# Altium PCB mini-inverter.PcbDoc (part 1 of 3) (continued)
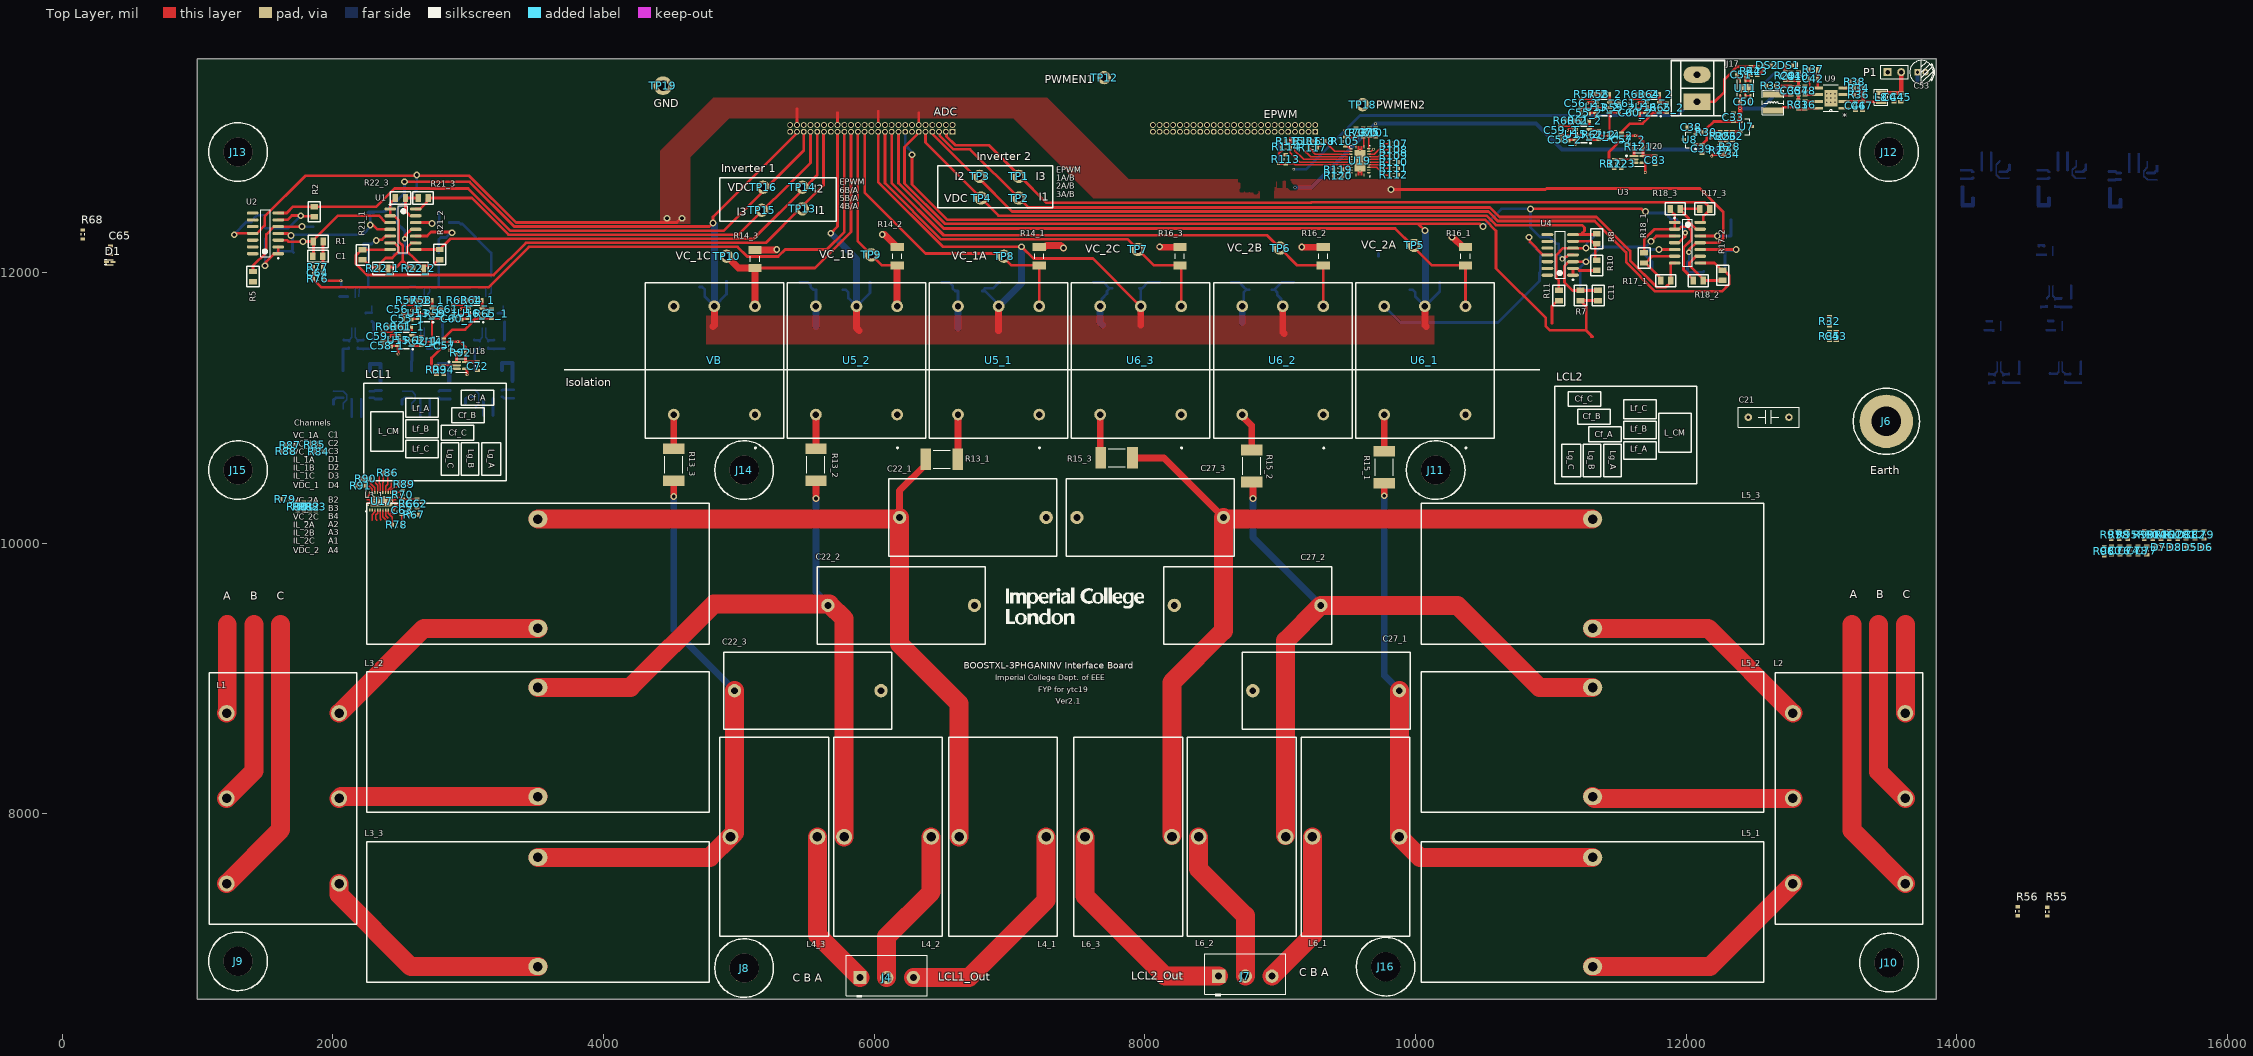
[diagram p0: Top Layer view]
## Components (designator, comment, footprint, x,y, rotation, side; value= is the part's Value field where it differs from the comment) (continued)
C101_1 "100nF" CAPC1608X06N 2385.15,11279.91 r0 bottom (schematic designator C101)
C101_2 "100nF" CAPC1608X06N 15100,12530.33 r180 bottom (schematic designator C101)
C102_1 "3.3uF" CAPC1608X06N 2385.15,11236.57 r180 bottom (schematic designator C102)
C102_2 "3.3uF" CAPC1608X06N 15100,12573.67 r0 bottom (schematic designator C102)
C103_1 "3.3uF" CAPC1608X06N 2385.15,11193.24 r180 bottom (schematic designator C103)
C103_2 "3.3uF" CAPC1608X06N 15100,12617 r0 bottom (schematic designator C103)
C104_1 "2.2uF" CAPC1608X06N 2005.15,11093.24 r270 bottom (schematic designator C104)
C104_2 "2.2uF" CAPC1608X06N 15480,12717 r90 bottom (schematic designator C104)
C105_1 "100nF" CAPC1608X06N 2360.12,11096 r270 bottom (schematic designator C105)
C105_2 "100nF" CAPC1608X06N 15125.04,12714.24 r90 bottom (schematic designator C105)
C106_1 "47pF" CAPC1608X06N 2241.6,10990 r0 bottom (schematic designator C106)
C106_2 "47pF" CAPC1608X06N 15243.56,12820.24 r180 bottom (schematic designator C106)
C107_1 "47pF" CAPC1608X06N 2108.19,10990 r180 bottom (schematic designator C107)
C107_2 "47pF" CAPC1608X06N 15376.97,12820.24 r0 bottom (schematic designator C107)
C108_1 "0.033uF" CAPC1608X06N 2271.1,11546.08 r180 bottom (schematic designator C108)
C108_2 "0.033uF" CAPC1608X06N 14815.33,11855.16 r180 bottom (schematic designator C108)
C109_1 "1500pF" CAPC1608X06N 2153,11494.04 r180 bottom (schematic designator C109)
C109_2 "1500pF" CAPC1608X06N 14697.23,11803.11 r180 bottom (schematic designator C109)
C110_1 "0.1uF" CAPC1608X06N 2031.14,11893.46 r180 bottom (schematic designator C110)
C110_2 "0.1uF" CAPC1608X06N 14575.37,12202.54 r180 bottom (schematic designator C110)
C111_1 "0.1uF" CAPC1608X06N 2050,11791.5 r90 bottom (schematic designator C111)
C111_2 "0.1uF" CAPC1608X06N 14594.23,12100.57 r90 bottom (schematic designator C111)
C112_1 "0.033uF" CAPC1608X06N 2781.1,11546.08 r180 bottom (schematic designator C112)
C112_2 "0.033uF" CAPC1608X06N 14885.33,11295.16 r180 bottom (schematic designator C112)
C113_1 "1500pF" CAPC1608X06N 2665.77,11494.04 r180 bottom (schematic designator C113)
C113_2 "1500pF" CAPC1608X06N 14770,11243.11 r180 bottom (schematic designator C113)
C114_1 "0.1uF" CAPC1608X06N 2541.14,11893.46 r180 bottom (schematic designator C114)
C114_2 "0.1uF" CAPC1608X06N 14645.37,11642.54 r180 bottom (schematic designator C114)
C115_1 "0.1uF" CAPC1608X06N 2560,11791.5 r90 bottom (schematic designator C115)
C115_2 "0.1uF" CAPC1608X06N 14664.23,11540.57 r90 bottom (schematic designator C115)
C116_1 "0.033uF" CAPC1608X06N 3236.42,11546.08 r180 bottom (schematic designator C116)
C116_2 "0.033uF" CAPC1608X06N 14430.65,11295.16 r180 bottom (schematic designator C116)
C117_1 "1500pF" CAPC1608X06N 3118.32,11494.04 r180 bottom (schematic designator C117)
C117_2 "1500pF" CAPC1608X06N 14312.55,11243.11 r180 bottom (schematic designator C117)
C118_1 "0.1uF" CAPC1608X06N 2996.46,11893.46 r180 bottom (schematic designator C118)
C118_2 "0.1uF" CAPC1608X06N 14190.69,11642.54 r180 bottom (schematic designator C118)
C119_1 "0.1uF" CAPC1608X06N 3015.32,11791.5 r90 bottom (schematic designator C119)
C119_2 "0.1uF" CAPC1608X06N 14209.55,11540.57 r90 bottom (schematic designator C119)
D1 "1PS79SB70,115" SOD-523_L1.2-W0.8-LS1.6-RD 351.94,12076.02 r0 top
D2 "1PS79SB70,115" SOD-523_L1.2-W0.8-LS1.6-RD 2800,11780 r270 bottom
D3 "1PS79SB70,115" SOD-523_L1.2-W0.8-LS1.6-RD 2287.01,11780 r270 bottom
D4 "1PS79SB70,115" SOD-523_L1.2-W0.8-LS1.6-RD 3260,11780 r270 bottom
D5 "1PS79SB70,115" SOD-523_L1.2-W0.8-LS1.6-RD 15723.54,9970.63 r0 top
D6 "1PS79SB70,115" SOD-523_L1.2-W0.8-LS1.6-RD 15838.16,9970.63 r0 top
D7 "1PS79SB70,115" SOD-523_L1.2-W0.8-LS1.6-RD 15494.32,9970.63 r0 top
D8 "1PS79SB70,115" SOD-523_L1.2-W0.8-LS1.6-RD 15608.93,9970.63 r0 top
DS1 "TLMP1100-GS08" VISH-TLMX1100_V 12760,13530 r0 top
DS2 "TLMP1100-GS08" VISH-TLMX1100_V 12601.5,13530 r0 top
J2 "ADC" SHF-125-01-L-D-RA 5980,13060 r180 bottom
J3 "EPWM" SHF-125-01-L-D-RA 8660,13060 r180 bottom
J4 "LCL1_Out" "3 Pin Terminal" 6093.15,6790 r0 top
J6 "M5 Earthing Hole" "M5 Earthing Hole" 13480,10900 r0 top
J7 "LCL2_Out" "3 Pin Terminal" 8743.15,6800 r0 top
J8 "M5 Mounting Hole" "M5 Mounting Hole" 5040,6860 r0 top
J9 "M5 Mounting Hole" "M5 Mounting Hole" 1300,6910 r0 top
J10 "M5 Mounting Hole" "M5 Mounting Hole" 13500,6900 r0 top
J11 "M5 Mounting Hole" "M5 Mounting Hole" 10150,10540 r0 top
J12 "M5 Mounting Hole" "M5 Mounting Hole" 13500,12890 r0 top
J13 "M5 Mounting Hole" "M5 Mounting Hole" 1300,12890 r0 top
J14 "M5 Mounting Hole" "M5 Mounting Hole" 5040,10540 r0 top
J15 "M5 Mounting Hole" "M5 Mounting Hole" 1300,10540 r0 top
J16 "M5 Mounting Hole" "M5 Mounting Hole" 9780,6870 r0 top
J17 "CON2" DG1282-5.0 12081.18,13361.79 r90 top
L1 "30mH CM" "CM Choke Custom" 1631.06,8114 r0 top
L2 "30mH CM" "CM Choke Custom" 13204.65,8114 r180 top
L3_1 "4mH" "4mH Custom" 3515.71,9774 r90 top (schematic designator L3)
L3_2 "4mH" "4mH Custom" 3515.71,8530 r90 top (schematic designator L3)
L3_3 "4mH" "4mH Custom" 3515.71,7274 r90 top (schematic designator L3)
L4_1 "380uH" "380uH Custom" 6950,7830 r0 top (schematic designator L4)
L4_2 "380uH" "380uH Custom" 6100,7830 r0 top (schematic designator L4)
L4_3 "380uH" "380uH Custom" 5260,7830 r0 top (schematic designator L4)
L5_1 "4mH" "4mH Custom" 11310,7274 r90 top (schematic designator L5)
L5_2 "4mH" "4mH Custom" 11310,8530 r90 top (schematic designator L5)
L5_3 "4mH" "4mH Custom" 11310,9774 r90 top (schematic designator L5)
L6_1 "380uH" "380uH Custom" 9560,7830 r180 top (schematic designator L6)
L6_2 "380uH" "380uH Custom" 8720,7830 r180 top (schematic designator L6)
L6_3 "380uH" "380uH Custom" 7880,7830 r180 top (schematic designator L6)
L7 "100uH" NR4018 12642.82,13255.09 r90 top
L8 "33uH" NR2520 13441.76,13295.15 r270 top
P1 "Header 2" HDR1X2 13490,13480 r0 top
R1 "20k_0805" "0805 Resistor" 1892.6,12228.86 r0 top
R2 "200k_0805" "0805 Resistor" 1862.6,12448.86 r270 top
R3 "20k_0805" "0805 Resistor" 1892.6,12228.86 r180 bottom
R4 "10k_0805" "0805 Resistor" 1502.6,12288.86 r90 bottom
R5 "10k_0805" "0805 Resistor" 1410,11970 r90 top
R6 "200k_0805" "0805 Resistor" 1892.6,12338.86 r0 bottom
R7 "20k_0805" "0805 Resistor" 11220,11830 r270 top
R8 "200k_0805" "0805 Resistor" 11340,12250 r270 top
R9 "20k_0805" "0805 Resistor" 11347.16,11840 r90 bottom
R10 "10k_0805" "0805 Resistor" 11340,12052.6 r90 top
R11 "10k_0805" "0805 Resistor" 11060,11830 r90 top
R12 "200k_0805" "0805 Resistor" 11360,12280 r0 bottom
R13_1 "10k_2512" "2512 Resistor" 6500,10620 r0 top (schematic designator R13)
R13_2 "10k_2512" "2512 Resistor" 5570,10580 r90 top (schematic designator R13)
R13_3 "10k_2512" "2512 Resistor" 4520,10580 r90 top (schematic designator R13)
R14_1 "130_1206" "1206 Resistor" 7220,12120 r270 top (schematic designator R14)
R14_2 "130_1206" "1206 Resistor" 6170,12120 r270 top (schematic designator R14)
R14_3 "130_1206" "1206 Resistor" 5120,12100 r270 top (schematic designator R14)
R15_1 "10k_2512" "2512 Resistor" 9770,10560 r90 top (schematic designator R15)
R15_2 "10k_2512" "2512 Resistor" 8790,10570 r90 top (schematic designator R15)
R15_3 "10k_2512" "2512 Resistor" 7791.89,10630 r180 top (schematic designator R15)
R16_1 "130_1206" "1206 Resistor" 10370,12120 r270 top (schematic designator R16)
R16_2 "130_1206" "1206 Resistor" 9320,12120 r270 top (schematic designator R16)
R16_3 "130_1206" "1206 Resistor" 8260,12120 r270 top (schematic designator R16)
R17_1 "200k_0805" "0805 Resistor" 11850,11940 r0 top (schematic designator R17)
R17_2 "200k_0805" "0805 Resistor" 12270,11980 r90 top (schematic designator R17)
R17_3 "200k_0805" "0805 Resistor" 12137.4,12470 r0 top (schematic designator R17)
R18_1 "10k_0805" "0805 Resistor" 11690,12107.4 r270 top (schematic designator R18)
R18_2 "10k_0805" "0805 Resistor" 12090,11940 r0 top (schematic designator R18)
R18_3 "10k_0805" "0805 Resistor" 11920,12470 r0 top (schematic designator R18)
R19_1 "10k_0805" "0805 Resistor" 11750,11980 r90 bottom (schematic designator R19)
R19_2 "10k_0805" "0805 Resistor" 12270,11980 r90 bottom (schematic designator R19)
R19_3 "10k_0805" "0805 Resistor" 12370,12270 r180 bottom (schematic designator R19)
R20_1 "200k_0805" "0805 Resistor" 11660,12140 r0 bottom (schematic designator R20)
R20_2 "200k_0805" "0805 Resistor" 12250,12160 r0 bottom (schematic designator R20)
R20_3 "200k_0805" "0805 Resistor" 12370,12390 r180 bottom (schematic designator R20)
R21_1 "200k_0805" "0805 Resistor" 2220,12130 r90 top (schematic designator R21)
R21_2 "200k_0805" "0805 Resistor" 2790,12132.6 r90 top (schematic designator R21)
R21_3 "200k_0805" "0805 Resistor" 2667.4,12550 r0 top (schematic designator R21)
R22_1 "10k_0805" "0805 Resistor" 2370,12030 r180 top (schematic designator R22)
R22_2 "10k_0805" "0805 Resistor" 2630,12030 r0 top (schematic designator R22)
R22_3 "10k_0805" "0805 Resistor" 2500,12550 r0 top (schematic designator R22)
R23_1 "10k_0805" "0805 Resistor" 2262.6,12058.86 r90 bottom (schematic designator R23)
R23_2 "10k_0805" "0805 Resistor" 2782.6,12108.86 r90 bottom (schematic designator R23)
R23_3 "10k_0805" "0805 Resistor" 2822.6,12368.86 r180 bottom (schematic designator R23)
R24_1 "200k_0805" "0805 Resistor" 2190,12210 r0 bottom (schematic designator R24)
R24_2 "200k_0805" "0805 Resistor" 2750,12250 r0 bottom (schematic designator R24)
R24_3 "200k_0805" "0805 Resistor" 2790,12510 r270 bottom (schematic designator R24)
R25 "0" RESC1608X05N 12251.95,13006.39 r90 top value=1M¦¸(1%)
R26 "0" RESC1608X05N 12295.55,13007.01 r270 top value=1M¦¸(1%)
R27 "54.9k" RESC1608X05N 12250.7,12904.25 r90 top value=1M¦¸(1%)
R28 "274k" RESC1608X05N 12321.09,12927.29 r180 top value=1M¦¸(1%)
R29 "16.5k" RESC1608X05N 12731.2,13452.15 r270 top value=1M¦¸(1%)
R30 "0" RESC1608X05N 12150.72,13037.79 r0 top value=1M¦¸(1%)
R31 "68k" RESC1608X05N 12830.15,13240.75 r270 top value=1M¦¸(1%)
R32 "100k" RESC1608X05N 13060,11640 r90 top value=1M¦¸(1%)
R33 "10.0k" RESC1608X05N 12628.6,13379.54 r0 top value=1M¦¸(1%)
R34 "113k" RESC1608X05N 13276.11,13361.79 r180 top value=1M¦¸(1%)
R35 "4.22k" RESC1608X05N 13060,11530 r90 top value=1M¦¸(1%)
R36 "51.0k" RESC1608X05N 13276.41,13315.08 r180 top value=1M¦¸(1%)
R37 "3.24k" RESC1608X05N 12940,13500 r0 top value=1M¦¸(1%)
R38 "16.5k" RESC1608X05N 13245.08,13411.14 r0 top value=1M¦¸(1%)
R42 "0" RESC1608X05N 12477.05,13488.2 r90 top value=1M¦¸(1%)
R43 "10.0k" RESC1608X05N 12527.45,13488.58 r90 top value=1M¦¸(1%)
R55 "0" RESC1608X05N 14670,7277 r90 top value=1M¦¸(1%)
R56 "0" RESC1608X05N 14450,7280 r90 top value=1M¦¸(1%)
R57_1 "20" RESC1608X05N 2592.51,11796.24 r180 top value=1M¦¸(1%) (schematic designator R57)
R57_2 "20" RESC1608X05N 11294,13318.46 r180 top value=1M¦¸(1%) (schematic designator R57)
R58_1 "10.0k" RESC1608X05N 2699.4,11796.24 r180 top value=1M¦¸(1%) (schematic designator R58)
R58_2 "10.0k" RESC1608X05N 11400.89,13318.46 r180 top value=1M¦¸(1%) (schematic designator R58)
R59_1 "332k" RESC1608X05N 2802.67,11695 r90 top value=1M¦¸(1%) (schematic designator R59)
R59_2 "332k" RESC1608X05N 11504.16,13217.22 r90 top value=1M¦¸(1%) (schematic designator R59)
R60_1 "20" RESC1608X05N 2442.51,11597.49 r180 top value=1M¦¸(1%) (schematic designator R60)
R60_2 "20" RESC1608X05N 11144,13119.71 r180 top value=1M¦¸(1%) (schematic designator R60)
R61_1 "10.0k" RESC1608X05N 2549.4,11597.49 r180 top value=1M¦¸(1%) (schematic designator R61)
R61_2 "10.0k" RESC1608X05N 11250.89,13119.71 r180 top value=1M¦¸(1%) (schematic designator R61)
R62_1 "332k" RESC1608X05N 2652.67,11495.01 r90 top value=1M¦¸(1%) (schematic designator R62)
R62_2 "332k" RESC1608X05N 11354.16,13017.22 r90 top value=1M¦¸(1%) (schematic designator R62)
R63_1 "20" RESC1608X05N 2962.51,11796.24 r180 top value=1M¦¸(1%) (schematic designator R63)
R63_2 "20" RESC1608X05N 11664,13318.46 r180 top value=1M¦¸(1%) (schematic designator R63)
R64_1 "10.0k" RESC1608X05N 3069.4,11796.24 r180 top value=1M¦¸(1%) (schematic designator R64)
R64_2 "10.0k" RESC1608X05N 11770.89,13318.46 r180 top value=1M¦¸(1%) (schematic designator R64)
R65_1 "332k" RESC1608X05N 3172.67,11695 r90 top value=1M¦¸(1%) (schematic designator R65)
R65_2 "332k" RESC1608X05N 11856.67,13217.32 r90 top value=1M¦¸(1%) (schematic designator R65)
R66 "0" RESC1608X05N 2568.86,10290.59 r90 top value=K
R67 "0" RESC1608X05N 2601.04,10208.77 r0 top value=K
R68 "20" RESC1608X05N 153.66,12281.19 r90 top value=1M¦¸(1%)
R69 "20" RESC1608X05N 2287.01,11670.4 r90 bottom value=1M¦¸(1%)
R70 "10.0k" RESC1608X05N 2515.96,10356.86 r90 top value=1M¦¸(1%)
R71 "20" RESC1608X05N 2803.49,11668.06 r90 bottom value=1M¦¸(1%)
R72 "20" RESC1608X05N 3270,11668.06 r90 bottom value=1M¦¸(1%)
R73 "20" RESC1608X05N 2230,11890 r0 bottom value=1M¦¸(1%)
R74 "20" RESC1608X05N 2750,11890 r0 bottom value=1M¦¸(1%)
R75 "20" RESC1608X05N 3170,11940 r90 bottom value=1M¦¸(1%)
R76 "20" RESC1608X05N 1889.86,11954.49 r180 top value=1M¦¸(1%)
R77 "20" RESC1608X05N 1890,12040 r0 top value=1M¦¸(1%)
R78 "10.0k" RESC1608X05N 2473.61,10134.8 r0 top value=1M¦¸(1%)
R79 "10.0k" RESC1608X05N 1649.94,10324.8 r180 top value=1M¦¸(1%)
R80 "10.0k" RESC1608X05N 1742.8,10270 r270 top value=1M¦¸(1%)
R81 "10.0k" RESC1608X05N 1786.13,10270 r270 top value=1M¦¸(1%)
R82 "10.0k" RESC1608X05N 1829.46,10270 r270 top value=1M¦¸(1%)
R83 "10.0k" RESC1608X05N 1872.8,10270 r270 top value=1M¦¸(1%)
R84 "10.0k" RESC1608X05N 1895.97,10676.47 r180 top value=1M¦¸(1%)
R85 "10.0k" RESC1608X05N 1866.3,10726.6 r180 top value=1M¦¸(1%)
R86 "10.0k" RESC1608X05N 2406.92,10519.77 r180 top value=1M¦¸(1%)
R87 "10.0k" RESC1608X05N 1684.18,10725.09 r180 top value=1M¦¸(1%)
R88 "10.0k" RESC1608X05N 1655.95,10677.69 r0 top value=1M¦¸(1%)
R89 "10.0k" RESC1608X05N 2527.61,10435.87 r180 top value=1M¦¸(1%)
R90 "10.0k" RESC1608X05N 2244.26,10475.08 r180 top value=1M¦¸(1%)
R91 "10.0k" RESC1608X05N 2206.97,10425.73 r180 top value=1M¦¸(1%)
R92 "10.0k" RESC1608X05N 2947,11406.78 r180 top value=1M¦¸(1%)
R93 "0" RESC1608X05N 2766.43,11279.91 r90 top value=1M¦¸(1%)
R94 "10.0k" RESC1608X05N 2820.48,11279.91 r90 top value=1M¦¸(1%)
R95 "20" RESC1608X05N 15263.66,10061.19 r90 top value=1M¦¸(1%)
R96 "20" RESC1608X05N 15090,9940 r270 top value=1M¦¸(1%)
R97 "20" RESC1608X05N 15140.73,10061.19 r90 top value=1M¦¸(1%)
R98 "20" RESC1608X05N 15202.2,10061.19 r90 top value=1M¦¸(1%)
R99 "20" RESC1608X05N 15386.59,10061.19 r90 top value=1M¦¸(1%)
R100 "0" RESC1608X05N 9615.24,13034.28 r90 top value=K
R101 "0" RESC1608X05N 9706.15,13034.28 r90 top value=K
R102 "20" RESC1608X05N 15570.98,10061.19 r90 top value=1M¦¸(1%)
R103 "20" RESC1608X05N 15632.45,10061.19 r90 top value=1M¦¸(1%)
R104 "20" RESC1608X05N 15448.06,10061.19 r90 top value=1M¦¸(1%)
R105 "10.0k" RESC1608X05N 9481.25,12968.24 r270 top value=1M¦¸(1%)
R106 "20" RESC1608X05N 15509.52,10061.19 r90 top value=1M¦¸(1%)
R107 "10.0k" RESC1608X05N 9841.68,12953.11 r0 top value=1M¦¸(1%)
R108 "10.0k" RESC1608X05N 9841.68,12907.11 r0 top value=1M¦¸(1%)
R109 "10.0k" RESC1608X05N 9841.68,12861.11 r0 top value=1M¦¸(1%)
R110 "10.0k" RESC1608X05N 9841.68,12815.11 r0 top value=1M¦¸(1%)
R111 "10.0k" RESC1608X05N 9841.68,12769.11 r0 top value=1M¦¸(1%)
R112 "10.0k" RESC1608X05N 9841.68,12723.11 r0 top value=1M¦¸(1%)
R113 "10.0k" RESC1608X05N 9042.71,12837.18 r270 top value=1M¦¸(1%)
R114 "10.0k" RESC1608X05N 9043.93,12927.35 r0 top value=1M¦¸(1%)
R115 "10.0k" RESC1608X05N 9076.15,12969.4 r0 top value=1M¦¸(1%)
R116 "10.0k" RESC1608X05N 9202.78,12970.05 r0 top value=1M¦¸(1%)
R117 "10.0k" RESC1608X05N 9243.06,12923.47 r180 top value=1M¦¸(1%)
R118 "10.0k" RESC1608X05N 9300,12970 r0 top value=1M¦¸(1%)
R119 "10.0k" RESC1608X05N 9430,12760 r180 top value=1M¦¸(1%)
R120 "10.0k" RESC1608X05N 9430,12713.5 r180 top value=1M¦¸(1%)
R121 "10.0k" RESC1608X05N 11648.89,12929 r180 top value=1M¦¸(1%)
R122 "0" RESC1608X05N 11467.92,12802.12 r90 top value=1M¦¸(1%)
R123 "10.0k" RESC1608X05N 11521.97,12802.12 r90 top value=1M¦¸(1%)
R124_1 "0" RESC1608X05N 2512.06,10993.24 r270 bottom value=1M¦¸(1%) (schematic designator R124)
R124_2 "0" RESC1608X05N 14953.09,12827 r90 bottom value=1M¦¸(1%) (schematic designator R124)
R125_1 "20" RESC1608X05N 2716.39,10903.39 r270 bottom value=1M¦¸(1%) (schematic designator R125)
R125_2 "20" RESC1608X05N 14748.77,12916.85 r90 bottom value=1M¦¸(1%) (schematic designator R125)
R126_1 "20" RESC1608X05N 2646.17,10903.39 r270 bottom value=1M¦¸(1%) (schematic designator R126)
R126_2 "20" RESC1608X05N 14818.99,12916.85 r90 bottom value=1M¦¸(1%) (schematic designator R126)
R127_1 "0" RESC1608X05N 2980,10999.92 r270 bottom value=1M¦¸(1%) (schematic designator R127)
R127_2 "0" RESC1608X05N 14390,12827 r90 bottom value=1M¦¸(1%) (schematic designator R127)
R128_1 "20" RESC1608X05N 3184.32,10910.07 r270 bottom value=1M¦¸(1%) (schematic designator R128)
R128_2 "20" RESC1608X05N 14185.68,12916.85 r90 bottom value=1M¦¸(1%) (schematic designator R128)
R129_1 "20" RESC1608X05N 3114.11,10910.07 r270 bottom value=1M¦¸(1%) (schematic designator R129)
R129_2 "20" RESC1608X05N 14255.89,12916.85 r90 bottom value=1M¦¸(1%) (schematic designator R129)
R130_1 "0" RESC1608X05N 2005.15,10993.24 r270 bottom value=1M¦¸(1%) (schematic designator R130)
R130_2 "0" RESC1608X05N 15480,12817 r90 bottom value=1M¦¸(1%) (schematic designator R130)
R131_1 "20" RESC1608X05N 2209.48,10903.39 r270 bottom value=1M¦¸(1%) (schematic designator R131)
R131_2 "20" RESC1608X05N 15275.68,12906.85 r90 bottom value=1M¦¸(1%) (schematic designator R131)
R132_1 "20" RESC1608X05N 2139.26,10903.39 r270 bottom value=1M¦¸(1%) (schematic designator R132)
R132_2 "20" RESC1608X05N 15345.89,12906.85 r90 bottom value=1M¦¸(1%) (schematic designator R132)
R133_1 "0.005" RESC1608X05N 2151.5,11441.5 r180 bottom value=1M¦¸(1%) (schematic designator R133)
R133_2 "0.005" RESC1608X05N 14695.73,11750.57 r180 bottom value=1M¦¸(1%) (schematic designator R133)
R134_1 "100k" RESC1608X05N 2301.11,11468.7 r270 bottom value=1M¦¸(1%) (schematic designator R134)
R134_2 "100k" RESC1608X05N 14845.34,11777.77 r270 bottom value=1M¦¸(1%) (schematic designator R134)
R135_1 "0" RESC1608X05N 2080.45,11467.93 r90 bottom value=1M¦¸(1%) (schematic designator R135)
R135_2 "0" RESC1608X05N 14624.68,11777 r90 bottom value=1M¦¸(1%) (schematic designator R135)
R136_1 "0" RESC1608X05N 2225.64,11468.24 r90 bottom value=1M¦¸(1%) (schematic designator R136)
R136_2 "0" RESC1608X05N 14769.87,11777.31 r90 bottom value=1M¦¸(1%) (schematic designator R136)
R137_1 "4.22k" RESC1608X05N 2270,11591.5 r0 bottom value=1M¦¸(1%) (schematic designator R137)
R137_2 "4.22k" RESC1608X05N 14814.23,11900.57 r0 bottom value=1M¦¸(1%) (schematic designator R137)
R138_1 "0" RESC1608X05N 2133,11891.5 r0 bottom value=1M¦¸(1%) (schematic designator R138)
R138_2 "0" RESC1608X05N 14677.23,12200.57 r0 bottom value=1M¦¸(1%) (schematic designator R138)
R139_1 "0.005" RESC1608X05N 2665.77,11441.5 r180 bottom value=1M¦¸(1%) (schematic designator R139)
R139_2 "0.005" RESC1608X05N 14770,11190.57 r180 bottom value=1M¦¸(1%) (schematic designator R139)
R140_1 "100k" RESC1608X05N 2811.11,11468.7 r270 bottom value=1M¦¸(1%) (schematic designator R140)
R140_2 "100k" RESC1608X05N 14915.34,11217.77 r270 bottom value=1M¦¸(1%) (schematic designator R140)
R141_1 "0" RESC1608X05N 2585.77,11470.93 r90 bottom value=1M¦¸(1%) (schematic designator R141)
R141_2 "0" RESC1608X05N 14690,11220 r90 bottom value=1M¦¸(1%) (schematic designator R141)
R142_1 "0" RESC1608X05N 2735.64,11468.24 r90 bottom value=1M¦¸(1%) (schematic designator R142)
R142_2 "0" RESC1608X05N 14839.87,11217.31 r90 bottom value=1M¦¸(1%) (schematic designator R142)
R143_1 "4.22k" RESC1608X05N 2780,11591.5 r0 bottom value=1M¦¸(1%) (schematic designator R143)
R143_2 "4.22k" RESC1608X05N 14884.23,11340.57 r0 bottom value=1M¦¸(1%) (schematic designator R143)
R144_1 "0" RESC1608X05N 2643,11891.5 r0 bottom value=1M¦¸(1%) (schematic designator R144)
R144_2 "0" RESC1608X05N 14747.23,11640.57 r0 bottom value=1M¦¸(1%) (schematic designator R144)
R145_1 "0.005" RESC1608X05N 3116.82,11441.5 r180 bottom value=1M¦¸(1%) (schematic designator R145)
R145_2 "0.005" RESC1608X05N 14311.05,11190.57 r180 bottom value=1M¦¸(1%) (schematic designator R145)
R146_1 "100k" RESC1608X05N 3266.43,11468.7 r270 bottom value=1M¦¸(1%) (schematic designator R146)
R146_2 "100k" RESC1608X05N 14460.66,11217.77 r270 bottom value=1M¦¸(1%) (schematic designator R146)
R147_1 "0" RESC1608X05N 3045.77,11467.93 r90 bottom value=1M¦¸(1%) (schematic designator R147)
R147_2 "0" RESC1608X05N 14240,11217 r90 bottom value=1M¦¸(1%) (schematic designator R147)
R148_1 "0" RESC1608X05N 3190.96,11468.24 r90 bottom value=1M¦¸(1%) (schematic designator R148)
R148_2 "0" RESC1608X05N 14385.19,11217.31 r90 bottom value=1M¦¸(1%) (schematic designator R148)
R149_1 "4.22k" RESC1608X05N 3235.32,11591.5 r0 bottom value=1M¦¸(1%) (schematic designator R149)
R149_2 "4.22k" RESC1608X05N 14429.55,11340.57 r0 bottom value=1M¦¸(1%) (schematic designator R149)
R150_1 "0" RESC1608X05N 3098.32,11891.5 r0 bottom value=1M¦¸(1%) (schematic designator R150)
R150_2 "0" RESC1608X05N 14292.55,11640.57 r0 bottom value=1M¦¸(1%) (schematic designator R150)
TP1 "I3" "PCB 1.32mm TestPoint" 7070,12710 r0 top
TP2 "I1" "PCB 1.32mm TestPoint" 7070,12550 r0 top
TP3 "I2" "PCB 1.32mm TestPoint" 6780,12710 r0 top
TP4 "VDC" "PCB 1.32mm TestPoint" 6790,12550 r0 top
TP5 "VC_2A" "PCB 1.32mm TestPoint" 9990,12200 r0 top
TP6 "VC_2B" "PCB 1.32mm TestPoint" 9000,12180 r0 top
TP7 "VC_2C" "PCB 1.32mm TestPoint" 7950,12170 r0 top
TP8 "VC_1A" "PCB 1.32mm TestPoint" 6960,12120 r0 top
TP9 "VC_1B" "PCB 1.32mm TestPoint" 5980,12130 r90 top
TP10 "VC_1C" "PCB 1.32mm TestPoint" 4910,12120 r90 top
TP12 "PWMEN1" "PCB 1.32mm TestPoint" 7700,13440 r90 top
TP13 "I1" "PCB 1.32mm TestPoint" 5470,12470 r90 top
TP14 "I2" "PCB 1.32mm TestPoint" 5470,12630 r90 top
TP15 "I3" "PCB 1.32mm TestPoint" 5170,12460 r90 top
TP16 "VDC" "PCB 1.32mm TestPoint" 5180,12630 r90 top
TP18 "PWMEN2" "PCB 1.32mm TestPoint" 9610,13240 r90 top
TP19 "GND" "1.9mm Hole" 4440,13380 r90 top
U1 "4ch Op Amp" SOIC-14 2518.11,12318.86 r0 top
U2 "4ch Op Amp" SOIC-14 1502.6,12288.86 r180 top
U3 "4ch Op Amp" SOIC-14 12010,12220 r0 top
U4 "4ch Op Amp" SOIC-14 11070,12130 r180 top
U5_1 "LV25P" LV-25-P 6920,11350 r90 top (schematic designator U5)
U5_2 "LV25P" LV-25-P 5870,11350 r90 top (schematic designator U5)
U6_1 "LV25P" LV-25-P 10070,11350 r90 top (schematic designator U6)
U6_2 "LV25P" LV-25-P 9020,11350 r90 top (schematic designator U6)
U6_3 "LV25P" LV-25-P 7970,11350 r90 top (schematic designator U6)
U7 "REF3333AIDBZR" DBZ0003A_L 12443.82,13077.76 r0 top
U8 "REF3333AIDBZR" DBZ0003A_L 12026.66,12982.24 r180 top
U9 "LM5017MRX/NOPB" DDA8_3P1X2P41 13070,13289 r180 top
U11 "LP38691SD-3.3/NOPB" FP-NGG0006A-MFG 12437.98,13361.79 r90 top
U13_1 "TLV3201AIDBVR" SOT-23-5_L3.0-W1.7-P0.95-LS2.8-BR 2681.32,11697.49 r0 top (schematic designator U13)
U13_2 "TLV3201AIDBVR" SOT-23-5_L3.0-W1.7-P0.95-LS2.8-BR 11382.81,13219.71 r0 top (schematic designator U13)
U14_1 "SN74LVC1G332DCKR" FP-DCK0006A-MFG 2777.12,11487.72 r0 top (schematic designator U14)
U14_2 "SN74LVC1G332DCKR" FP-DCK0006A-MFG 11478.61,13009.93 r0 top (schematic designator U14)
U15_1 "TLV3201AIDBVR" SOT-23-5_L3.0-W1.7-P0.95-LS2.8-BR 2531.32,11497.49 r0 top (schematic designator U15)
U15_2 "TLV3201AIDBVR" SOT-23-5_L3.0-W1.7-P0.95-LS2.8-BR 11232.81,13019.71 r0 top (schematic designator U15)
U16_1 "TLV3201AIDBVR" SOT-23-5_L3.0-W1.7-P0.95-LS2.8-BR 3051.32,11697.49 r0 top (schematic designator U16)
U16_2 "TLV3201AIDBVR" SOT-23-5_L3.0-W1.7-P0.95-LS2.8-BR 11752.81,13219.71 r0 top (schematic designator U16)
U17 "SN74AVC8T245RHLR" RHL0024A 2360,10309.49 r270 top
U18 "SN74LVC1G32DCKR" FP-DCK0005A-IPC_A 2950.01,11313.57 r0 top
U19 "SN74AVC8T245RHLR" RHL0024A 9590,12825.2 r0 top
U20 "SN74LVC1G32DCKR" FP-DCK0005A-IPC_A 11651.5,12835.79 r0 top
U21_1 "LMG5200MOFT" FP-MOF0009A-MFG 2682.06,11203.24 r180 bottom (schematic designator U21)
U21_2 "LMG5200MOFT" FP-MOF0009A-MFG 14783.09,12617 r0 bottom (schematic designator U21)
U22_1 "LMG5200MOFT" FP-MOF0009A-MFG 3150,11209.92 r180 bottom (schematic designator U22)
U22_2 "LMG5200MOFT" FP-MOF0009A-MFG 14220,12617 r0 bottom (schematic designator U22)
U23_1 "LMG5200MOFT" FP-MOF0009A-MFG 2175.15,11203.24 r180 bottom (schematic designator U23)
U23_2 "LMG5200MOFT" FP-MOF0009A-MFG 15310,12607 r0 bottom (schematic designator U23)
U24_1 "INA240A1PW" PW0008A_N_TEX 2153,11705.82 r90 bottom (schematic designator U24)
U24_2 "INA240A1PW" PW0008A_N_TEX 14697.23,12014.9 r90 bottom (schematic designator U24)
U25_1 "INA240A1PW" PW0008A_N_TEX 2663,11705.82 r90 bottom (schematic designator U25)
U25_2 "INA240A1PW" PW0008A_N_TEX 14767.23,11454.9 r90 bottom (schematic designator U25)
U26_1 "INA240A1PW" PW0008A_N_TEX 3118.32,11705.82 r90 bottom (schematic designator U26)
U26_2 "INA240A1PW" PW0008A_N_TEX 14312.55,11454.9 r90 bottom (schematic designator U26)
VB "LV25P" LV-25-P 4820,11350 r90 top (schematic designator U5)

## Footprints (in the part's own frame and the unit in brackets; to place one, negate y for a bottom-side part, rotate by r counter-clockwise, add the part's x,y. Pads: shape width x height; smd on the part's side, far side on the other; paste and mask are expansions set on the pad)
"1.9mm Hole" [mm] "Through hole terminal pin"
  round 3.5 hole 1.9: 1(0,0)
"3 Pin Terminal" [mm] "WURTH ELEKTRONIK 691102710003"
  rect 2.5x2.5 hole 1.3: 1(-5,0)
  round 2.5 hole 1.3: 2(0,0) 3(5,0)
  silkscreen extent -7.63,-3.78 7.61,4.22, body extent -7.63,-3.3 7.61,4.2, height 10
"4mH Custom" [mm] "4mH Custom"
  oval 3.2x3.6 hole 1.8: 1(-10.25,0) 2(10.25,0)
  silkscreen extent -13.21,-32.13 13.21,32.13
"380uH Custom" [mm] "380uH Custom"
  round 3 hole 1.8: 1(-8.16,0) 2(8.16,0)
  silkscreen extent -10.16,-18.67 10.29,18.67, body extent -8.25,-16.21 8.25,16.21, height 34.1
"0805 Capacitor" [mm]
  rect 1.02x1.47 smd: 1(-0.95,0) 2(0.95,0)
  silkscreen extent -1.91,-1.14 1.91,1.14, body extent -1,-0.63 1,0.63, height 0.94
"0805 Resistor" [mm]
  rect 1.02x1.47 smd: 1(-0.95,0) 2(0.95,0)
  silkscreen extent -1.91,-1.14 1.91,1.14, body extent -1,-0.63 1,0.63, height 0.65
"1206 Capacitor" [mm]
  rect 1.5x2.5 smd: 1(-1.7,0) 2(1.7,0)
  silkscreen extent -0.5,-0.85 0.5,0.85, body extent -1.6,-0.8 1.6,0.8, height 0.89
"1206 Resistor" [mm]
  rect 1.5x2.5 smd: 1(-1.7,0) 2(1.7,0)
  silkscreen extent -0.5,-0.85 0.5,0.85, body extent -1.55,-0.8 1.55,0.8, height 0.65
"2512 Resistor" [mm]
  rect 2x4 smd: 1(-3,0) 2(3,0)
  silkscreen extent -1.6,-1.7 1.6,1.7, body extent -3.2,-1.6 3.2,1.6, height 0.91
"CAP 1.5*4*8" [mm] "½Å¾à1.5mmÖ±¾¶4mm¸ß¶È8mm                    ÌÔ±¦ID:»Æ¾§±¦Ê¯"
  rect 1.2x1.2 hole 0.6: 1(-0.75,0)
  round 1.2 hole 0.6: 2(0.75,0)
  silkscreen extent -2.2,-2.2 2.41,2.2, body extent -2,-2 2.02,2, height 8.04
CAPC1608X06N [mm] "Chip Capacitor, 2-Leads, Body 1.60x0.80mm, IPC Medium Density"
  rect 0.6x0.95 smd: 1(-0.8,0) 2(0.8,0)
  silkscreen extent -0.15,-0.38 0.15,0.38, body extent -0.8,-0.4 0.8,0.4, height 0.6
"CM Choke Custom" [mm] "CM Choke Custom"
  round 3 hole 1.8: 1(-10.55,16) 2(-10.55,0) 3(-10.55,-16) 4(10.55,16) 5(10.55,0) 6(10.55,-16)
  silkscreen extent -13.84,-23.62 13.84,23.62
DBZ0003A_L [mm] "SOT23, 3-Leads, Body 3.04x1.4mm, Pitch 0.95mm, IPC High Density"
  rrect18% 0.8x0.55 smd: 1(-1.1,0.95) 2(-1.1,-0.95) 3(1.1,0)
  silkscreen extent -1.22,-1.5 0.7,1.9, body extent -1.26,-1.46 1.26,1.46, height 0.96
DDA8_3P1X2P41 [mil]
  rect 78x21 smd paste-39 mask-39: 1(-97,75) 2(-97,25) 3(-97,-25) 4(-97,-75) 5(97,-75) 6(97,-25) 7(97,25) 8(97,75)
  rect 95x122 smd paste-60.5 mask-60.5: 9(0,0)
  round 20 / inner round 60 / far side round 20 hole 10 paste-99999 mask-10: V(-31,31) V(-31,0) V(-31,-31) V(0,31) V(0,0) V(0,-31) V(31,31) V(31,0) V(31,-31)
  silkscreen extent -56,-98 56,98, body extent -122,-99 122,99, height 67
DG1282-5.0 [mil]
  rect 120x200 hole 50: 1(-100,0)
  oval 120x200 hole 50: 2(100,0)
  silkscreen extent -205,-205 205,191
"Film Capacitor PHE450HF7220JR06L2" [mm] "KEMET PHE450 Metallised Polypropylene Film Capacitor, 180 V ac, 250 V dc, ?%, 2.2µF, Through Hole"
  round 2.5 hole 1.27: 1(0,13.75) 2(0,-13.75)
  silkscreen extent -7.25,-15.75 7.25,15.75, body extent -7.24,-15.62 7.26,15.88, height 24.01
FP-DCK0005A-IPC_A [mm]
  rect 1.677x0.416 smd paste+0 mask+0: 1(-0.914,0.65)
  rrect100% 1.677x0.416 smd paste+0 mask+0: 2(-0.914,0) 3(-0.914,-0.65) 4(0.914,-0.65) 5(0.914,0.65)
  silkscreen extent -2.45,-1.25 1.05,1.25
FP-DCK0006A-MFG [mm]
  rect 0.9x0.4 smd paste-1000 mask+0: 1(-1.1,0.65) 2(-1.1,0) 3(-1.1,-0.65) 4(1.1,-0.65) 5(1.1,0) 6(1.1,0.65)
  silkscreen extent -2.22,-1.07 0.27,1.07, body extent -1.65,-1.33 1.65,1.33, height 0.25
FP-MOF0009A-MFG [mm]
  rrect14% 0.7x4.25 smd paste-1000 mask+0: 1(-2.55,1.78) 8(2.55,1.78)
  rrect20% 0.7x0.5 smd paste+0 mask+0: 2(-2.55,-2.05) 3(-2.55,-3.25) 6(2.55,-3.25) 7(2.55,-2.05)
  rrect20% 0.5x0.7 smd paste+0 mask+0: 4(-0.9,-3.55) 5(0.9,-3.55)
  rrect10% 1.05x4.25 smd paste-1000 mask+0: 9(0,1.78)
  silkscreen extent -3.78,-4.05 3.05,4.05, body extent -3,-4 3,4, height 2
FP-NGG0006A-MFG [mm]
  rect 0.6x0.35 smd paste+0 mask+0: 1(-1.4,0.95) 2(-1.4,0) 3(-1.4,-0.95) 4(1.4,-0.95) 5(1.4,0) 6(1.4,0.95)
  rect 1.6x2.1 smd paste+0 mask+0: 7(0,0)
  silkscreen extent -2.4,-1.55 1.55,1.55, body extent -1.8,-1.65 1.8,1.65, height 0.25
HDR1X2 [mm] "Connector; Header; 2 Position"
  rect 1.5x1.5 hole 0.9: 1(0,0)
  round 1.5 hole 0.9: 2(2.54,0)
  silkscreen extent -1.27,-1.27 3.81,1.27
LV-25-P [mm]
  round 2.2 hole 1.2: 1(-10.16,-7.62) 2(10.16,-7.62) 3(10.16,0) 5(-10.16,7.62)
  round 2.2 hole 1.2 paste-2539.97: 4(10.16,7.62)
  silkscreen extent -16.54,-13 14.6,13, body extent -13.6,-13 15.6,13, height 16.4
"M5 Earthing Hole" [mm] "M5 Mounting Hole"
  round 10 hole 5.5: 1(0,0)
  silkscreen extent -6.22,-6.22 6.22,6.22
"M5 Mounting Hole" [mm] "M5 Mounting Hole"
  round 5.5 hole 5.5: 1(0,0)
  silkscreen extent -5.5,-5.5 5.5,5.5
NR2520 [mm] "2.5mm*2.0mm*1.0mm(³¤*¿í*¸ß£©"
  rect 0.85x2 smd: 1(-0.825,0) 2(0.825,0)
  silkscreen extent -1.52,-1.27 1.52,1.27, body extent -1.25,-1 1.25,1, height 1.1
NR4018 [mm] "4.0mm*4.0mm*1.8mm(³¤*¿í*¸ß£©"
  rect 1.1x3.7 smd: 1(-1.5,0) 2(1.5,0)
  silkscreen extent -2.29,-2.03 2.29,2.03, body extent -2,-2 2,2, height 1.9
"PCB 1.32mm TestPoint" [mm] "20-313143 PCB Test Point, White, Through Hole Mount, 1.32 mm, Phosphor Bronze, Tin Plated Contacts"
  round 2.5 hole 1.32: 1(0,0)
  body extent -1.15,-1.15 1.15,1.15, height 5
PW0008A_N_TEX [mil]
  rect 59x18 smd paste+0 mask+2: 1(-114.17,38.39) 2(-114.17,12.8) 3(-114.17,-12.8) 4(-114.17,-38.39) 5(114.17,-38.39) 6(114.17,-12.8) 7(114.17,12.8) 8(114.17,38.39)
  silkscreen extent -169,-64 92,64, body extent -130,-59 130,59, height 47
RAD-0.3 [mm] "Radial Cap, Thru-Hole; 2 Leads; 0.3 in Pin Spacing"
  round 1.4 hole 0.7: 1(-3.81,0) 2(3.81,0)
  silkscreen extent -5.71,-1.91 5.71,1.91
RESC1608X05N [mm] "Chip Resistor, 2-Leads, Body 1.60x0.80mm, IPC Medium Density"
  rect 0.6x0.85 smd: 1(-0.838,0) 2(0.838,0)
  silkscreen extent -0.2,-0.33 0.2,0.33, body extent -0.8,-0.4 0.8,0.4, height 0.5
RHL0024A [mm]
  oval 0.24x0.6 smd paste-0.102 mask+0.051: 1(-0.75,2.65) 12(-0.75,-2.65) 13(0.75,-2.65) 24(0.75,2.65)
  oval 0.6x0.24 smd paste-0.102 mask+0.051: 2(-1.65,2.25) 3(-1.65,1.75) 4(-1.65,1.25) 5(-1.65,0.75) 6(-1.65,0.25) 7(-1.65,-0.25) 8(-1.65,-0.75) 9(-1.65,-1.25) 10(-1.65,-1.75) 11(-1.65,-2.25) 14(1.65,-2.225) 15(1.65,-1.725) 16(1.65,-1.225) 17(1.65,-0.725) 18(1.65,-0.225) 19(1.65,0.275) 20(1.65,0.775) 21(1.65,1.275) 22(1.65,1.775) 23(1.65,2.275)
  rect 2.05x4.05 smd paste-2.012 mask+0.051: 25(0,0)
  round 0.5 / inner round 1.524 / far side round 0.5 hole 0.203 paste-2539.97 mask+0.076: V(-0.775,0) V(0.775,0)
  round 0.5 / inner round 1.524 / far side round 0.5 hole 0.203 paste-2539.97 mask+0.051: V(0,1.9) V(0,-1.9)
  Top Layer region: -0.395,-2.024 -0.395,-2.225 0.395,-2.225 0.395,-2.024
  Top Layer region: -0.396,2.75 -0.396,2 -0.154,2 -0.154,2.75
  Top Layer region: 0.152,2.75 0.152,2 0.394,2 0.394,2.75
  Top Layer region: -0.395,2.225 -0.395,2.024 0.395,2.024 0.395,2.225
  Top Layer region: -0.152,-2.75 -0.152,-2 -0.394,-2 -0.394,-2.75
  Top Layer region: 0.396,-2.75 0.396,-2 0.154,-2 0.154,-2.75
  silkscreen extent -1.95,-2.95 1.95,2.95